# KiCad board input-output.Multi.kicad_pcb
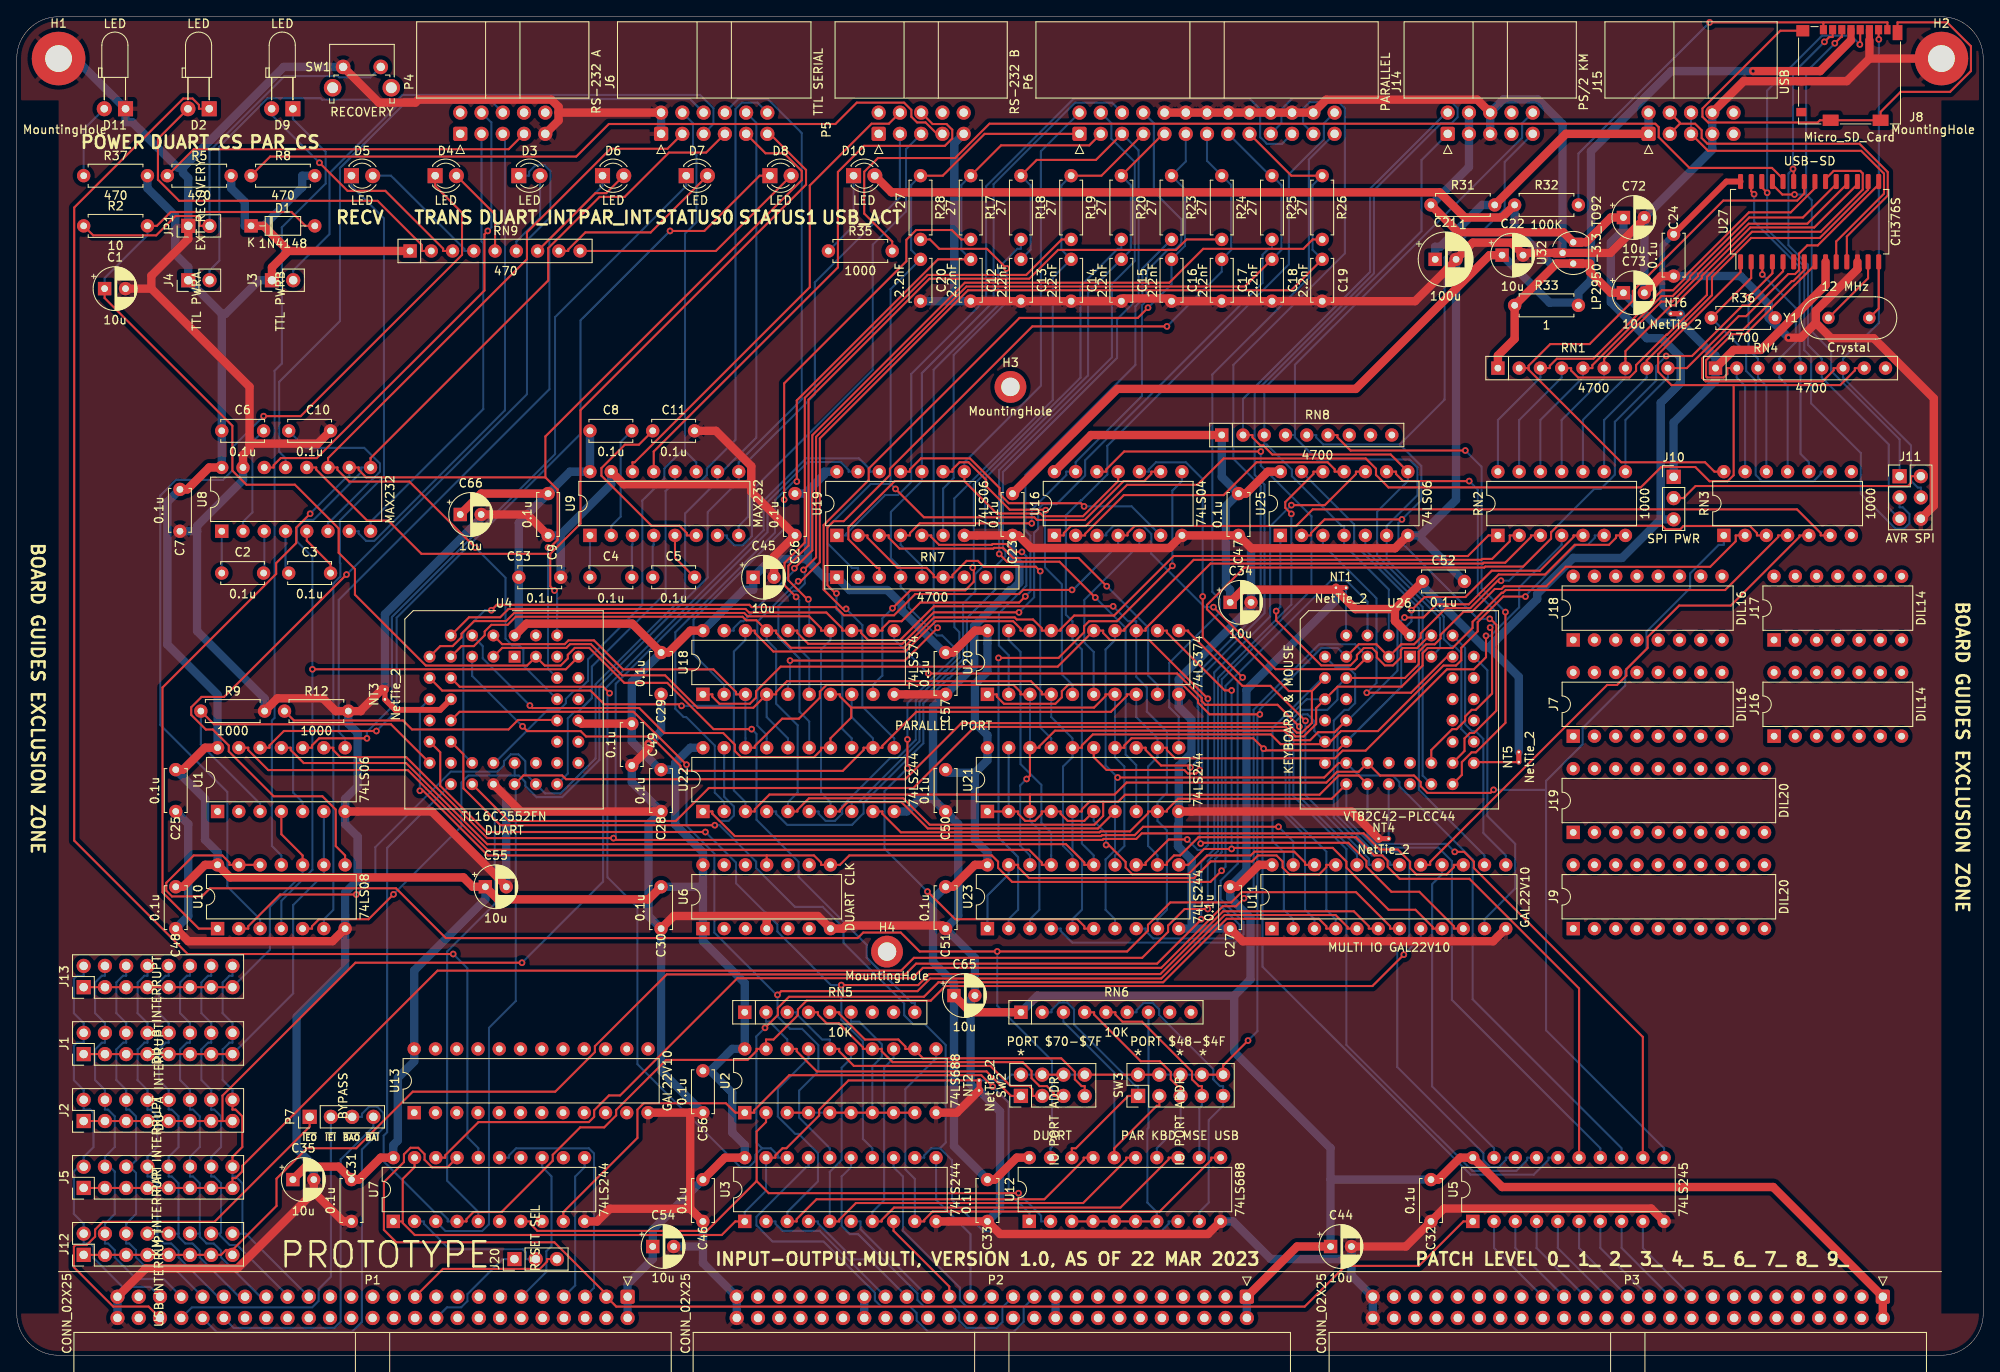
[diagram p0: board, top side]
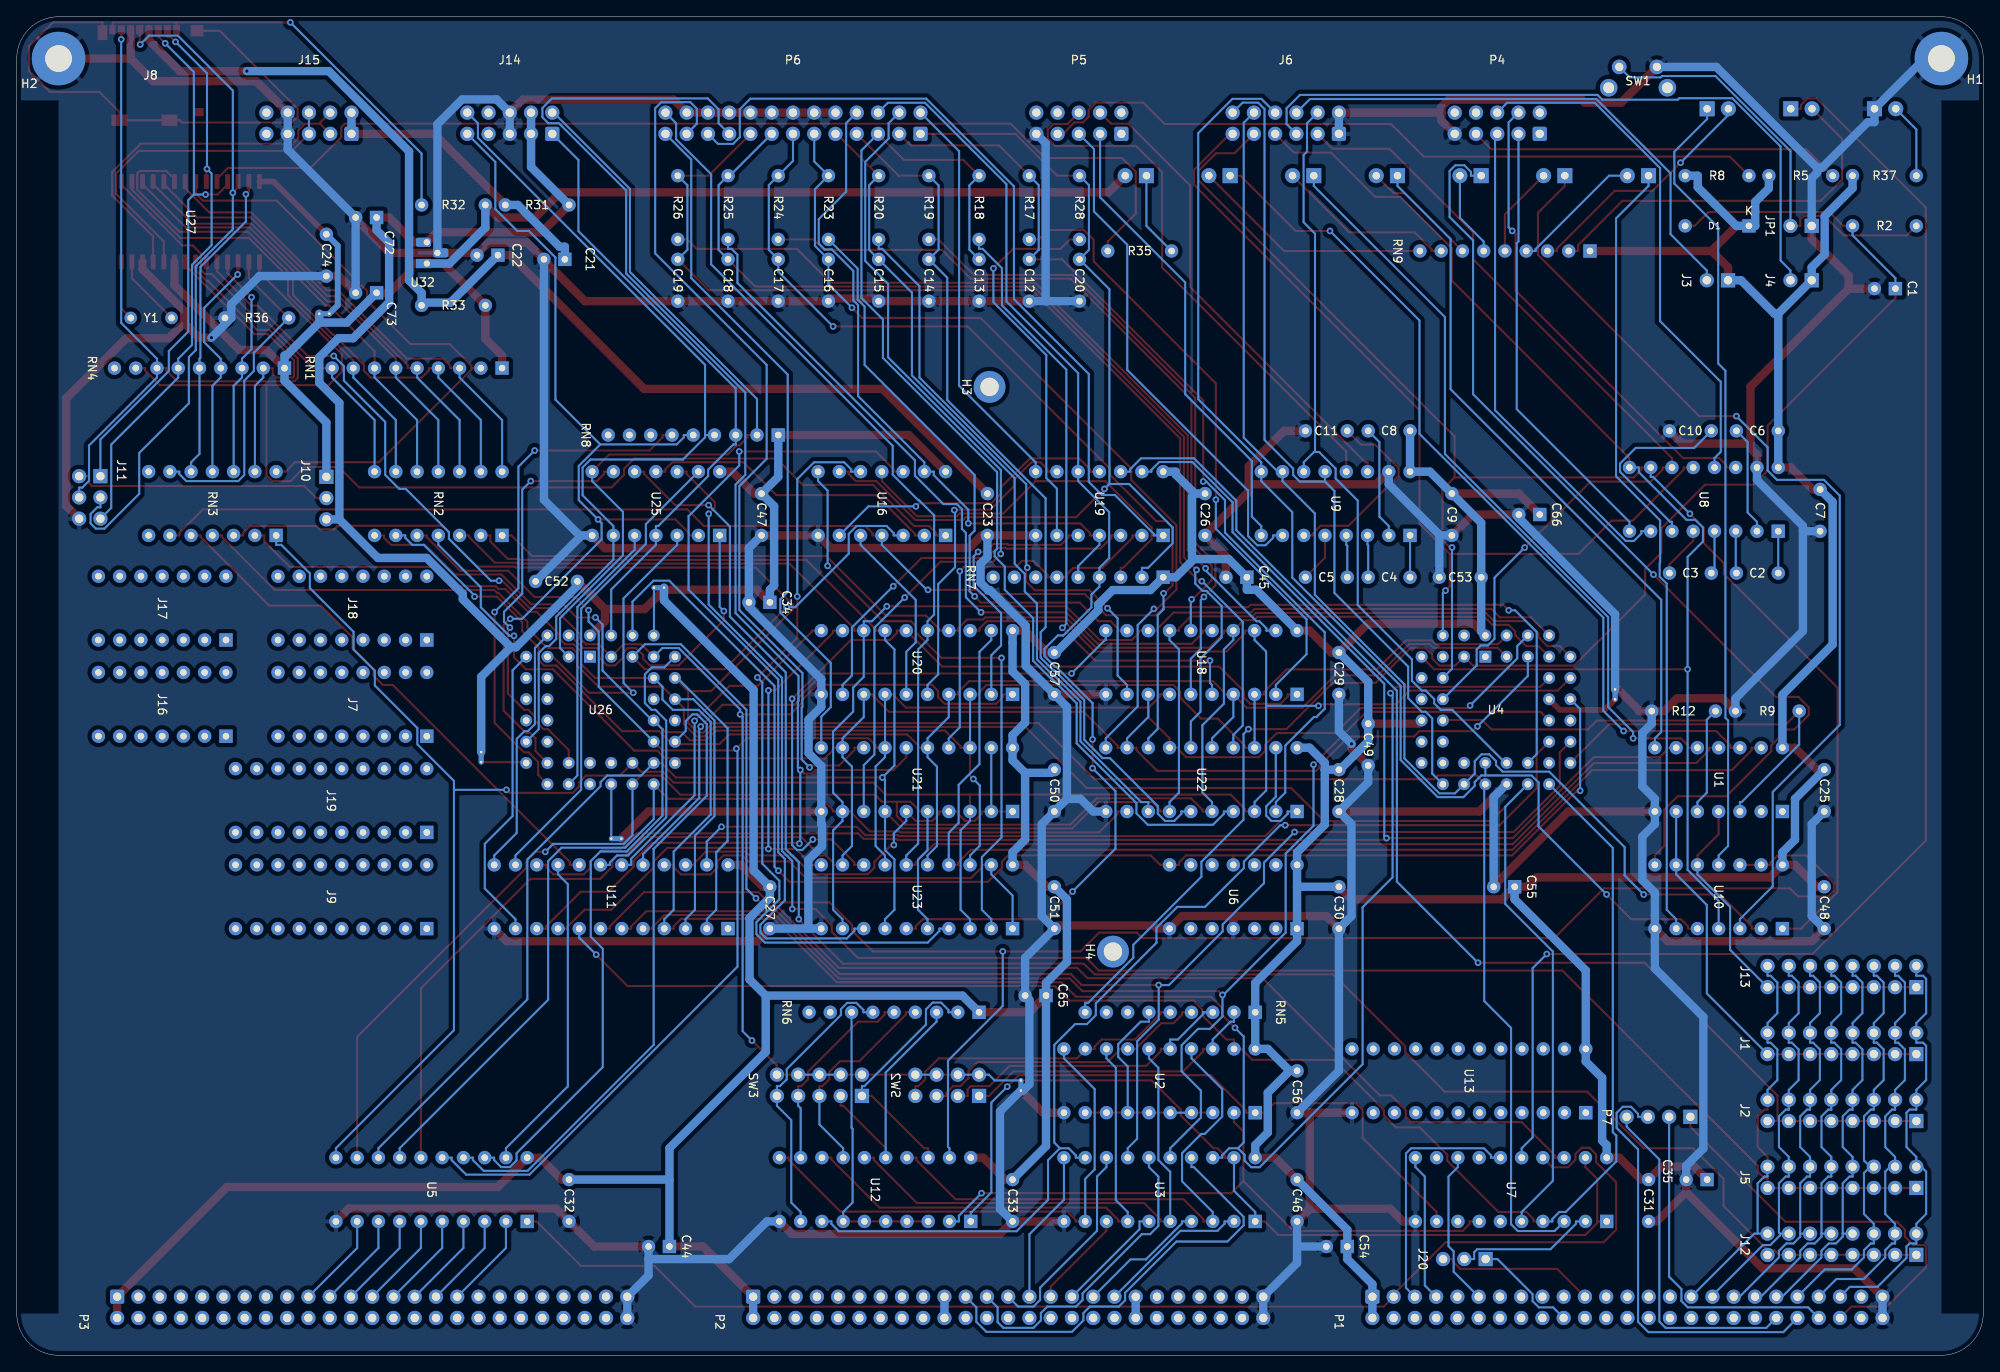
[diagram p1: board, bottom side, seen from below]

Outline 235 x 160 mm; copper layers: Top, Bottom. Coordinates in mm from the lower left corner of the outline.
Outline path: 0,155 0,5 arc(1.46,1.46) 5,0 230,0 arc(233.54,1.46) 235,5 235,155 arc(233.54,158.54) 230,160 5,160 arc(1.46,158.54) 0,155

## Placement (name value [footprint] x y rotation side)
C1  10u  [CP_Radial_D5.0mm_P2.50mm]  10.5 127.5 0 top
C2  0.1u  [C_Disc_D5.0mm_W2.5mm_P5.00mm]  24.5 93.5 0 top
C3  0.1u  [C_Disc_D5.0mm_W2.5mm_P5.00mm]  32.5 93.5 0 top
C4  0.1u  [C_Disc_D5.0mm_W2.5mm_P5.00mm]  68.5 93 0 top
C5  0.1u  [C_Disc_D5.0mm_W2.5mm_P5.00mm]  76 93 0 top
C6  0.1u  [C_Disc_D5.0mm_W2.5mm_P5.00mm]  24.5 110.5 0 top
C7  0.1u  [C_Disc_D5.0mm_W2.5mm_P5.00mm]  19.5 103.5 270 top
C8  0.1u  [C_Disc_D5.0mm_W2.5mm_P5.00mm]  68.5 110.5 0 top
C9  0.1u  [C_Disc_D5.0mm_W2.5mm_P5.00mm]  63.5 103 270 top
C10  0.1u  [C_Disc_D5.0mm_W2.5mm_P5.00mm]  32.5 110.5 0 top
C11  0.1u  [C_Disc_D5.0mm_W2.5mm_P5.00mm]  76 110.5 0 top
C12  2.2nF  [C_Disc_D5.0mm_W2.5mm_P5.00mm]  114 131 270 top
C13  2.2nF  [C_Disc_D5.0mm_W2.5mm_P5.00mm]  120 131 270 top
C14  2.2nF  [C_Disc_D5.0mm_W2.5mm_P5.00mm]  126 131 270 top
C15  2.2nF  [C_Disc_D5.0mm_W2.5mm_P5.00mm]  132 131 270 top
C16  2.2nF  [C_Disc_D5.0mm_W2.5mm_P5.00mm]  138 131 270 top
C17  2.2nF  [C_Disc_D5.0mm_W2.5mm_P5.00mm]  144 131 270 top
C18  2.2nF  [C_Disc_D5.0mm_W2.5mm_P5.00mm]  150 131 270 top
C19  2.2nF  [C_Disc_D5.0mm_W2.5mm_P5.00mm]  156 131 270 top
C20  2.2nF  [C_Disc_D5.0mm_W2.5mm_P5.00mm]  108 131 270 top
C21  100u  [CP_Radial_D6.3mm_P2.50mm]  169.5 131 0 top
C22  10u  [CP_Radial_D5.0mm_P2.50mm]  177.5 131.5 0 top
C23  0.1u  [C_Disc_D5.0mm_W2.5mm_P5.00mm]  119 103 270 top
C24  0.1u  [C_Disc_D5.0mm_W2.5mm_P5.00mm]  198 134 270 top
C25  0.1u  [C_Disc_D5.0mm_W2.5mm_P5.00mm]  19 70 270 top
C26  0.1u  [C_Disc_D5.0mm_W2.5mm_P5.00mm]  93 103 270 top
C27  0.1u  [C_Disc_D5.0mm_W2.5mm_P5.00mm]  145 56 270 top
C28  0.1u  [C_Disc_D5.0mm_W2.5mm_P5.00mm]  77 70 270 top
C29  0.1u  [C_Disc_D5.0mm_W2.5mm_P5.00mm]  77 84 270 top
C30  0.1u  [C_Disc_D5.0mm_W2.5mm_P5.00mm]  77 56 270 top
C31  0.1u  [C_Disc_D5.0mm_W2.5mm_P5.00mm]  40 21 270 top
C32  0.1u  [C_Disc_D5.0mm_W2.5mm_P5.00mm]  169 21 270 top
C33  0.1u  [C_Disc_D5.0mm_W2.5mm_P5.00mm]  116 21 270 top
C34  10u  [CP_Radial_D5.0mm_P2.50mm]  145 90 0 top
C35  10u  [CP_Radial_D5.0mm_P2.50mm]  33 21 0 top
C44  10u  [CP_Radial_D5.0mm_P2.50mm]  157 13 0 top
C45  10u  [CP_Radial_D5.0mm_P2.50mm]  88 93 0 top
C46  0.1u  [C_Disc_D5.0mm_W2.5mm_P5.00mm]  82 21 270 top
C47  0.1u  [C_Disc_D5.0mm_W2.5mm_P5.00mm]  146 103 270 top
C48  0.1u  [C_Disc_D5.0mm_W2.5mm_P5.00mm]  19 56 270 top
C49  0.1u  [C_Disc_D5.0mm_W2.5mm_P5.00mm]  73.5 75.5 270 top
C50  0.1u  [C_Disc_D5.0mm_W2.5mm_P5.00mm]  111 70 270 top
C51  0.1u  [C_Disc_D5.0mm_W2.5mm_P5.00mm]  111 56 270 top
C52  0.1u  [C_Disc_D5.0mm_W2.5mm_P5.00mm]  168 92.5 0 top
C53  0.1u  [C_Disc_D5.0mm_W2.5mm_P5.00mm]  60 93 0 top
C54  10u  [CP_Radial_D5.0mm_P2.50mm]  76 13 0 top
C55  10u  [CP_Radial_D5.0mm_P2.50mm]  56 56 0 top
C56  0.1u  [C_Disc_D5.0mm_W2.5mm_P5.00mm]  82 34 270 top
C57  0.1u  [C_Disc_D5.0mm_W2.5mm_P5.00mm]  111 84 270 top
C65  10u  [CP_Radial_D5.0mm_P2.50mm]  112 43 0 top
C66  10u  [CP_Radial_D5.0mm_P2.50mm]  53 100.5 0 top
C72  10u  [CP_Radial_D5.0mm_P2.50mm]  192 136 0 top
C73  10u  [CP_Radial_D5.0mm_P2.50mm]  192 127 0 top
D1  1N4148  [D_DO-35_SOD27_P7.62mm_Horizontal]  28 135 0 top
D2  LED  [LED_D3.0mm_Horizontal_O3.81mm_Z2.0mm]  23 149 180 top
D3  LED  [LED_D3.0mm]  60 141 0 top
D4  LED  [LED_D3.0mm]  50 141 0 top
D5  LED  [LED_D3.0mm]  40 141 0 top
D6  LED  [LED_D3.0mm]  70 141 0 top
D7  LED  [LED_D3.0mm]  80 141 0 top
D8  LED  [LED_D3.0mm]  90 141 0 top
D9  LED  [LED_D3.0mm_Horizontal_O3.81mm_Z2.0mm]  33 149 180 top
D10  LED  [LED_D3.0mm]  100 141 0 top
D11  LED  [LED_D3.0mm_Horizontal_O3.81mm_Z2.0mm]  13 149 180 top
H1  MountingHole  [MountingHole_3.2mm_M3_Pad]  5 155 0 top
H2  MountingHole  [MountingHole_3.2mm_M3_Pad]  230 155 0 top
H3  MountingHole  [MountingHole_2.2mm_M2_DIN965_Pad]  118.75 115.75 0 top
H4  MountingHole  [MountingHole_2.2mm_M2_DIN965_Pad]  104 48.25 0 top
J1  DU-A INTERRUPT  [PinHeader_2x08_P2.54mm_Vertical]  8 36 90 top
J2  PAR INTERRUPT  [PinHeader_2x08_P2.54mm_Vertical]  8 28 90 top
J3  TTL PWRB  [PinHeader_1x02_P2.54mm_Vertical]  30.5 128.5 90 top
J4  TTL PWRA  [PinHeader_1x02_P2.54mm_Vertical]  20.5 128.5 90 top
J5  KM INTERRUPT  [PinHeader_2x08_P2.54mm_Vertical]  8 20 90 top
J6  TTL SERIAL  [IDC-Header_2x06_P2.54mm_Horizontal]  77 146 90 top
J7  DIL16  [DIP-16_W7.62mm]  186 74 90 top
J8  Micro_SD_Card  [microSD_HC_Molex_104031-0811]  219 153 0 top
J9  DIL20  [DIP-20_W7.62mm]  186 51 90 top
J10  SPI PWR  [PinHeader_1x03_P2.54mm_Vertical]  198 105 0 top
J11  AVR SPI  [PinHeader_2x03_P2.54mm_Vertical]  225 105.08 0 top
J12  USB INTERRUPT  [PinHeader_2x08_P2.54mm_Vertical]  8 12 90 top
J13  DU-B INTERRUPT  [PinHeader_2x08_P2.54mm_Vertical]  8 44 90 top
J14  PS/2 KM  [IDC-Header_2x05_P2.54mm_Horizontal]  171 146 90 top
J15  USB  [IDC-Header_2x05_P2.54mm_Horizontal]  195 146 90 top
J16  DIL14  [DIP-14_W7.62mm]  210 74 90 top
J17  DIL14  [DIP-14_W7.62mm]  210 85.5 90 top
J18  DIL16  [DIP-16_W7.62mm]  186 85.5 90 top
J19  DIL20  [DIP-20_W7.62mm]  186 62.5 90 top
J20  RESET SEL  [PinHeader_1x03_P2.54mm_Vertical]  59.47 11.5 90 top
JP1  EXT RECOVERY  [PinHeader_1x02_P2.54mm_Vertical]  20.5 135 90 top
NT1  NetTie_2  [NetTie-2_THT_Pad0.3mm]  157.65 91.75 0 top
NT2  NetTie_2  [NetTie-2_THT_Pad0.3mm]  115 31.65 90 top
NT3  NetTie_2  [NetTie-2_THT_Pad0.3mm]  44 78.4 90 top
NT4  NetTie_2  [NetTie-2_THT_Pad0.3mm]  162.75 61.75 0 top
NT5  NetTie_2  [NetTie-2_THT_Pad0.3mm]  179.5 70.9 90 top
NT6  NetTie_2  [NetTie-2_THT_Pad0.3mm]  197.65 124.5 0 top
P1  CONN_02X25  [IDC-Header_2x25_P2.54mm_Horizontal]  73 7 270 top
P2  CONN_02X25  [IDC-Header_2x25_P2.54mm_Horizontal]  147 7 270 top
P3  CONN_02X25  [IDC-Header_2x25_P2.54mm_Horizontal]  223 7 270 top
P4  RS-232 A  [IDC-Header_2x05_P2.54mm_Horizontal]  53 146 90 top
P5  RS-232 B  [IDC-Header_2x05_P2.54mm_Horizontal]  103 146 90 top
P6  PARALLEL  [IDC-Header_2x13_P2.54mm_Horizontal]  127 146 90 top
P7  BYPASS  [PinHeader_1x04_P2.54mm_Vertical]  35 28.5 90 top
R2  10  [R_Axial_DIN0207_L6.3mm_D2.5mm_P7.62mm_Horizontal]  8 135 0 top
R5  470  [R_Axial_DIN0207_L6.3mm_D2.5mm_P7.62mm_Horizontal]  18 141 0 top
R8  470  [R_Axial_DIN0207_L6.3mm_D2.5mm_P7.62mm_Horizontal]  28 141 0 top
R9  1000  [R_Axial_DIN0207_L6.3mm_D2.5mm_P7.62mm_Horizontal]  22 77 0 top
R12  1000  [R_Axial_DIN0207_L6.3mm_D2.5mm_P7.62mm_Horizontal]  32 77 0 top
R17  27  [R_Axial_DIN0207_L6.3mm_D2.5mm_P7.62mm_Horizontal]  114 141 270 top
R18  27  [R_Axial_DIN0207_L6.3mm_D2.5mm_P7.62mm_Horizontal]  120 141 270 top
R19  27  [R_Axial_DIN0207_L6.3mm_D2.5mm_P7.62mm_Horizontal]  126 141 270 top
R20  27  [R_Axial_DIN0207_L6.3mm_D2.5mm_P7.62mm_Horizontal]  132 141 270 top
R23  27  [R_Axial_DIN0207_L6.3mm_D2.5mm_P7.62mm_Horizontal]  138 141 270 top
R24  27  [R_Axial_DIN0207_L6.3mm_D2.5mm_P7.62mm_Horizontal]  144 141 270 top
R25  27  [R_Axial_DIN0207_L6.3mm_D2.5mm_P7.62mm_Horizontal]  150 141 270 top
R26  27  [R_Axial_DIN0207_L6.3mm_D2.5mm_P7.62mm_Horizontal]  156 141 270 top
R28  27  [R_Axial_DIN0207_L6.3mm_D2.5mm_P7.62mm_Horizontal]  108 141 270 top
R31  1  [R_Axial_DIN0207_L6.3mm_D2.5mm_P7.62mm_Horizontal]  169 137.5 0 top
R32  100K  [R_Axial_DIN0207_L6.3mm_D2.5mm_P7.62mm_Horizontal]  179 137.5 0 top
R33  1  [R_Axial_DIN0207_L6.3mm_D2.5mm_P7.62mm_Horizontal]  179 125.5 0 top
R35  1000  [R_Axial_DIN0207_L6.3mm_D2.5mm_P7.62mm_Horizontal]  97 132 0 top
R36  4700  [R_Axial_DIN0207_L6.3mm_D2.5mm_P7.62mm_Horizontal]  202.5 124 0 top
R37  470  [R_Axial_DIN0207_L6.3mm_D2.5mm_P7.62mm_Horizontal]  8 141 0 top
RN1  4700  [R_Array_SIP9]  177 118 0 top
RN2  1000  [DIP-14_W7.62mm]  177 98 90 top
RN3  1000  [DIP-14_W7.62mm]  204 98 90 top
RN4  4700  [R_Array_SIP9]  203 118 0 top
RN5  10K  [R_Array_SIP9]  87 41 0 top
RN6  10K  [R_Array_SIP9]  120 41 0 top
RN7  4700  [R_Array_SIP9]  98 93 0 top
RN8  4700  [R_Array_SIP9]  144 110 0 top
RN9  470  [R_Array_SIP9]  47 132 0 top
SW1  RECOVERY  [SW_Tactile_SPST_Angled_PTS645Vx58-2LFS]  39 154 0 top
SW2  IO PORT ADDR  [PinHeader_2x04_P2.54mm_Vertical]  120 31 90 top
SW3  IO PORT ADDR  [PinHeader_2x05_P2.54mm_Vertical]  134 31 90 top
U1  74LS06  [DIP-14_W7.62mm]  24 65 90 top
U2  74LS688  [DIP-20_W7.62mm]  87 29 90 top
U3  74LS244  [DIP-20_W7.62mm]  87 16 90 top
U4  TL16C2552FN  [PLCC-44_THT-Socket]  59.5 83.5 0 top
U5  74LS245  [DIP-20_W7.62mm]  174 16 90 top
U6  DUART CLK  [DIP-14_W7.62mm]  82 51 90 top
U7  74LS244  [DIP-20_W7.62mm]  45 16 90 top
U8  MAX232  [DIP-16_W7.62mm]  24.5 98.5 90 top
U9  MAX232  [DIP-16_W7.62mm]  68.5 98 90 top
U10  74LS08  [DIP-14_W7.62mm]  24 51 90 top
U11  GAL22V10  [DIP-24_W7.62mm]  150 51 90 top
U12  74LS688  [DIP-20_W7.62mm]  121 16 90 top
U13  GAL22V10  [DIP-24_W7.62mm]  47.5 29 90 top
U16  74LS04  [DIP-14_W7.62mm]  124 98 90 top
U18  74LS374  [DIP-20_W7.62mm]  82 79 90 top
U19  74LS06  [DIP-14_W7.62mm]  98 98 90 top
U20  74LS374  [DIP-20_W7.62mm]  116 79 90 top
U21  74LS244  [DIP-20_W7.62mm]  116 65 90 top
U22  74LS244  [DIP-20_W7.62mm]  82 65 90 top
U23  74LS244  [DIP-20_W7.62mm]  116 51 90 top
U25  74LS06  [DIP-14_W7.62mm]  151 98 90 top
U26  VT82C42-PLCC44  [PLCC-44_THT-Socket]  166.5 83.5 0 top
U27  CH376S  [SOIC-28W_7.5x18.7mm_P1.27mm]  214.25 135.5 90 top
U32  LP2950-3.3_TO92  [TO-92_HandSolder]  186 130.5 90 top
Y1  Crystal  [Crystal_HC49-4H_Vertical]  216.5 124 0 top

## Footprints (pads in the part's own frame, mm; a bottom-side part is the same pattern mirrored in y, then rotated)
C_Disc_D5.0mm_W2.5mm_P5.00mm
  round 1.6 hole 0.8: 1(0,0) 2(5,0)
CP_Radial_D5.0mm_P2.50mm
  rect 1.6x1.6 hole 0.8: 1(0,0)
  round 1.6 hole 0.8: 2(2.5,0)
CP_Radial_D6.3mm_P2.50mm
  rect 1.6x1.6 hole 0.8: 1(0,0)
  round 1.6 hole 0.8: 2(2.5,0)
Crystal_HC49-4H_Vertical
  round 1.5 hole 0.8: 1(0,0) 2(4.88,0)
D_DO-35_SOD27_P7.62mm_Horizontal
  rect 1.6x1.6 hole 0.8: 1(0,0)
  oval 1.6x1.6 hole 0.8: 2(7.62,0)
DIP-14_W7.62mm
  rect 1.6x1.6 hole 0.8: 1(0,0)
  oval 1.6x1.6 hole 0.8: 2(0,-2.54) 3(0,-5.08) 4(0,-7.62) 5(0,-10.16) 6(0,-12.7) 7(0,-15.24) 8(7.62,-15.24) 9(7.62,-12.7) 10(7.62,-10.16) 11(7.62,-7.62) 12(7.62,-5.08) 13(7.62,-2.54) 14(7.62,0)
DIP-16_W7.62mm
  rect 1.6x1.6 hole 0.8: 1(0,0)
  oval 1.6x1.6 hole 0.8: 2(0,-2.54) 3(0,-5.08) 4(0,-7.62) 5(0,-10.16) 6(0,-12.7) 7(0,-15.24) 8(0,-17.78) 9(7.62,-17.78) 10(7.62,-15.24) 11(7.62,-12.7) 12(7.62,-10.16) 13(7.62,-7.62) 14(7.62,-5.08) 15(7.62,-2.54) 16(7.62,0)
DIP-20_W7.62mm
  rect 1.6x1.6 hole 0.8: 1(0,0)
  oval 1.6x1.6 hole 0.8: 2(0,-2.54) 3(0,-5.08) 4(0,-7.62) 5(0,-10.16) 6(0,-12.7) 7(0,-15.24) 8(0,-17.78) 9(0,-20.32) 10(0,-22.86) 11(7.62,-22.86) 12(7.62,-20.32) 13(7.62,-17.78) 14(7.62,-15.24) 15(7.62,-12.7) 16(7.62,-10.16) 17(7.62,-7.62) 18(7.62,-5.08) 19(7.62,-2.54) 20(7.62,0)
DIP-24_W7.62mm
  rect 1.6x1.6 hole 0.8: 1(0,0)
  oval 1.6x1.6 hole 0.8: 2(0,-2.54) 3(0,-5.08) 4(0,-7.62) 5(0,-10.16) 6(0,-12.7) 7(0,-15.24) 8(0,-17.78) 9(0,-20.32) 10(0,-22.86) 11(0,-25.4) 12(0,-27.94) 13(7.62,-27.94) 14(7.62,-25.4) 15(7.62,-22.86) 16(7.62,-20.32) 17(7.62,-17.78) 18(7.62,-15.24) 19(7.62,-12.7) 20(7.62,-10.16) 21(7.62,-7.62) 22(7.62,-5.08) 23(7.62,-2.54) 24(7.62,0)
IDC-Header_2x05_P2.54mm_Horizontal
  rrect 1.7x1.7 hole 1: 1(0,0)
  round 1.7 hole 1: 2(2.54,0) 3(0,-2.54) 4(2.54,-2.54) 5(0,-5.08) 6(2.54,-5.08) 7(0,-7.62) 8(2.54,-7.62) 9(0,-10.16) 10(2.54,-10.16)
IDC-Header_2x06_P2.54mm_Horizontal
  rrect 1.7x1.7 hole 1: 1(0,0)
  round 1.7 hole 1: 2(2.54,0) 3(0,-2.54) 4(2.54,-2.54) 5(0,-5.08) 6(2.54,-5.08) 7(0,-7.62) 8(2.54,-7.62) 9(0,-10.16) 10(2.54,-10.16) 11(0,-12.7) 12(2.54,-12.7)
IDC-Header_2x13_P2.54mm_Horizontal
  rrect 1.7x1.7 hole 1: 1(0,0)
  round 1.7 hole 1: 2(2.54,0) 3(0,-2.54) 4(2.54,-2.54) 5(0,-5.08) 6(2.54,-5.08) 7(0,-7.62) 8(2.54,-7.62) 9(0,-10.16) 10(2.54,-10.16) 11(0,-12.7) 12(2.54,-12.7) 13(0,-15.24) 14(2.54,-15.24) 15(0,-17.78) 16(2.54,-17.78) 17(0,-20.32) 18(2.54,-20.32) 19(0,-22.86) 20(2.54,-22.86) 21(0,-25.4) 22(2.54,-25.4) 23(0,-27.94) 24(2.54,-27.94) 25(0,-30.48) 26(2.54,-30.48)
IDC-Header_2x25_P2.54mm_Horizontal
  rrect 1.7x1.7 hole 1: 1(0,0)
  round 1.7 hole 1: 2(2.54,0) 3(0,-2.54) 4(2.54,-2.54) 5(0,-5.08) 6(2.54,-5.08) 7(0,-7.62) 8(2.54,-7.62) 9(0,-10.16) 10(2.54,-10.16) 11(0,-12.7) 12(2.54,-12.7) 13(0,-15.24) 14(2.54,-15.24) 15(0,-17.78) 16(2.54,-17.78) 17(0,-20.32) 18(2.54,-20.32) 19(0,-22.86) 20(2.54,-22.86) 21(0,-25.4) 22(2.54,-25.4) 23(0,-27.94) 24(2.54,-27.94) 25(0,-30.48) 26(2.54,-30.48) 27(0,-33.02) 28(2.54,-33.02) 29(0,-35.56) 30(2.54,-35.56) 31(0,-38.1) 32(2.54,-38.1) 33(0,-40.64) 34(2.54,-40.64) 35(0,-43.18) 36(2.54,-43.18) 37(0,-45.72) 38(2.54,-45.72) 39(0,-48.26) 40(2.54,-48.26) 41(0,-50.8) 42(2.54,-50.8) 43(0,-53.34) 44(2.54,-53.34) 45(0,-55.88) 46(2.54,-55.88) 47(0,-58.42) 48(2.54,-58.42) 49(0,-60.96) 50(2.54,-60.96)
LED_D3.0mm
  rect 1.8x1.8 hole 0.9: 1(0,0)
  round 1.8 hole 0.9: 2(2.54,0)
LED_D3.0mm_Horizontal_O3.81mm_Z2.0mm
  rect 1.8x1.8 hole 0.9: 1(0,0)
  round 1.8 hole 0.9: 2(2.54,0)
microSD_HC_Molex_104031-0811
  rect 0.85x1.1 smd: 1(-3.105,5.45) 2(-2.005,5.45) 3(-0.905,5.45) 4(0.195,5.45) 5(1.295,5.45) 6(2.395,5.45) 7(3.495,5.45)
  rect 0.75x1.1 smd: 8(4.545,5.45)
  rect 1.2x1 smd: 9(-5.74,-0.7) 10(-5.74,-4.4)
  rect 1.55x1.35 smd: 11(-5.565,5.325)
  rect 1.9x1.35 smd: 11(-2.24,-5.375) 11(3.73,-5.375)
  rect 1.17x1.8 smd: 11(5.755,5.1)
MountingHole_2.2mm_M2_DIN965_Pad
  round 3.8 hole 2.2: 1(0,0)
MountingHole_3.2mm_M3_Pad
  round 6.4 hole 3.2: 1(0,0)
NetTie-2_THT_Pad0.3mm
  round 0.6 hole 0.3: 1(0,0) 2(1.2,0)
PinHeader_1x02_P2.54mm_Vertical
  rect 1.7x1.7 hole 1: 1(0,0)
  oval 1.7x1.7 hole 1: 2(0,-2.54)
PinHeader_1x03_P2.54mm_Vertical
  rect 1.7x1.7 hole 1: 1(0,0)
  oval 1.7x1.7 hole 1: 2(0,-2.54) 3(0,-5.08)
PinHeader_1x04_P2.54mm_Vertical
  rect 1.7x1.7 hole 1: 1(0,0)
  oval 1.7x1.7 hole 1: 2(0,-2.54) 3(0,-5.08) 4(0,-7.62)
PinHeader_2x03_P2.54mm_Vertical
  rect 1.7x1.7 hole 1: 1(0,0)
  oval 1.7x1.7 hole 1: 2(2.54,0) 3(0,-2.54) 4(2.54,-2.54) 5(0,-5.08) 6(2.54,-5.08)
PinHeader_2x04_P2.54mm_Vertical
  rect 1.7x1.7 hole 1: 1(0,0)
  oval 1.7x1.7 hole 1: 2(2.54,0) 3(0,-2.54) 4(2.54,-2.54) 5(0,-5.08) 6(2.54,-5.08) 7(0,-7.62) 8(2.54,-7.62)
PinHeader_2x05_P2.54mm_Vertical
  rect 1.7x1.7 hole 1: 1(0,0)
  oval 1.7x1.7 hole 1: 2(2.54,0) 3(0,-2.54) 4(2.54,-2.54) 5(0,-5.08) 6(2.54,-5.08) 7(0,-7.62) 8(2.54,-7.62) 9(0,-10.16) 10(2.54,-10.16)
PinHeader_2x08_P2.54mm_Vertical
  rect 1.7x1.7 hole 1: 1(0,0)
  oval 1.7x1.7 hole 1: 2(2.54,0) 3(0,-2.54) 4(2.54,-2.54) 5(0,-5.08) 6(2.54,-5.08) 7(0,-7.62) 8(2.54,-7.62) 9(0,-10.16) 10(2.54,-10.16) 11(0,-12.7) 12(2.54,-12.7) 13(0,-15.24) 14(2.54,-15.24) 15(0,-17.78) 16(2.54,-17.78)
PLCC-44_THT-Socket
  rect 1.422x1.422 hole 0.8: 1(0,0)
  round 1.422 hole 0.8: 2(-2.54,2.54) 3(-2.54,0) 4(-5.08,2.54) 5(-5.08,0) 6(-7.62,2.54) 7(-10.16,0) 8(-7.62,0) 9(-10.16,-2.54) 10(-7.62,-2.54) 11(-10.16,-5.08) 12(-7.62,-5.08) 13(-10.16,-7.62) 14(-7.62,-7.62) 15(-10.16,-10.16) 16(-7.62,-10.16) 17(-10.16,-12.7) 18(-7.62,-15.24) 19(-7.62,-12.7) 20(-5.08,-15.24) 21(-5.08,-12.7) 22(-2.54,-15.24) 23(-2.54,-12.7) 24(0,-15.24) 25(0,-12.7) 26(2.54,-15.24) 27(2.54,-12.7) 28(5.08,-15.24) 29(7.62,-12.7) 30(5.08,-12.7) 31(7.62,-10.16) 32(5.08,-10.16) 33(7.62,-7.62) 34(5.08,-7.62) 35(7.62,-5.08) 36(5.08,-5.08) 37(7.62,-2.54) 38(5.08,-2.54) 39(7.62,0) 40(5.08,2.54) 41(5.08,0) 42(2.54,2.54) 43(2.54,0) 44(0,2.54)
R_Array_SIP9
  rect 1.6x1.6 hole 0.8: 1(0,0)
  oval 1.6x1.6 hole 0.8: 2(2.54,0) 3(5.08,0) 4(7.62,0) 5(10.16,0) 6(12.7,0) 7(15.24,0) 8(17.78,0) 9(20.32,0)
R_Axial_DIN0207_L6.3mm_D2.5mm_P7.62mm_Horizontal
  round 1.6 hole 0.8: 1(0,0)
  oval 1.6x1.6 hole 0.8: 2(7.62,0)
SOIC-28W_7.5x18.7mm_P1.27mm
  rrect 1.8x0.6 smd: 1(-4.8,8.255) 2(-4.8,6.985) 3(-4.8,5.715) 4(-4.8,4.445) 5(-4.8,3.175) 6(-4.8,1.905) 7(-4.8,0.635) 8(-4.8,-0.635) 9(-4.8,-1.905) 10(-4.8,-3.175) 11(-4.8,-4.445) 12(-4.8,-5.715) 13(-4.8,-6.985) 14(-4.8,-8.255) 15(4.8,-8.255) 16(4.8,-6.985) 17(4.8,-5.715) 18(4.8,-4.445) 19(4.8,-3.175) 20(4.8,-1.905) 21(4.8,-0.635) 22(4.8,0.635) 23(4.8,1.905) 24(4.8,3.175) 25(4.8,4.445) 26(4.8,5.715) 27(4.8,6.985) 28(4.8,8.255)
SW_Tactile_SPST_Angled_PTS645Vx58-2LFS
  round 2.1 hole 1.3: (-1.25,-2.49) (5.76,-2.49)
  round 1.75 hole 0.99: 1(0,0) 2(4.5,0)
TO-92_HandSolder
  rect 1.1x1.8 hole 0.75: 1(0,0)
  rrect 1.1x1.8 hole 0.75: 2(1.27,1.27) 3(2.54,0)

## Nets
+12V: P2.19 P2.20
-12V: P2.37 P2.38
/DUART/GND_UART: NT3.1 U4.12
/USB-SD/VBUS: C21.1 J15.1 J15.2 R31.2
/USB-SD/VDD2: C24.1 NT6.1 U27.28
/USB-SD/VDD3: C22.1 C23.1 J8.4 R33.2
GND: C1.2 C7.2 C9.2 C10.2 C11.2 C12.2 C13.2 C14.2 C15.2 C16.2 C17.2 C18.2 C19.2 C20.2 C21.2 C22.2 C23.2 C24.2 C25.2 C26.2 C27.2 C28.2 C29.2 C30.2 C31.2 C32.2 C33.2 C34.2 C35.2 C44.2 C45.2 C46.2 C47.2 C48.2 C49.2 C50.2 C51.2 C52.2 C53.2 C54.2 C55.2 C56.2 C57.2 C65.2 C66.2 C72.2 C73.2 D11.1 H1.1 H2.1 J6.1 J6.2 J8.6 J8.9 J11.6 J14.5 J14.6 J15.7 J15.8 JP1.1 NT2.1 NT3.2 NT4.1 P1.49 P1.50 P2.49 P2.50 P3.49 P3.50 P4.9 P5.9 P6.10 P6.12 P6.14 P6.16 P6.18 P6.20 P6.22 P6.24 R9.2 R12.2 R36.2 SW1.1 U1.7 U2.10 U3.10 U4.22 U5.10 U6.4 U6.7 U7.10 U8.15 U9.15 U10.7 U11.12 U12.10 U13.12 U16.7 U18.10 U19.7 U20.10 U21.10 U22.10 U23.10 U25.7 U27.12 U32.2
VCC: C6.1 C7.1 C8.1 C9.1 C25.1 C26.1 C27.1 C28.1 C29.1 C30.1 C31.1 C32.1 C33.1 C34.1 C35.1 C44.1 C45.1 C46.1 C47.1 C48.1 C49.1 C50.1 C51.1 C52.1 C53.1 C54.1 C55.1 C56.1 C57.1 C65.1 C66.1 C72.1 D1.1 J3.1 J4.1 J10.3 J14.3 J14.4 NT1.1 NT5.2 P1.1 P1.2 P2.1 P2.2 P3.1 P3.2 R5.2 R8.2 R31.1 R37.2 RN5.1 RN6.1 RN7.1 RN8.1 RN9.1 U1.14 U2.20 U3.20 U4.33 U4.44 U5.20 U6.1 U6.14 U7.20 U8.16 U9.16 U10.14 U11.24 U12.20 U13.24 U16.14 U18.20 U19.14 U20.20 U21.20 U22.20 U23.20 U25.14 U26.44 U32.3
VDD: NT5.1 U26.29
VDD1: C73.1 D10.2 J10.1 NT6.2 R32.1 R33.1 RN1.1 RN4.1 U27.9 U32.1
VSS: NT4.2 U26.22
470A: D2.2 RN9.2
470B: D9.2 RN9.3
470C: D5.2 RN9.4
470D: D4.2 RN9.5
470E: D3.2 RN9.6
470F: D6.2 RN9.7
470G: D7.2 RN9.8
470H: D8.2 RN9.9
/bus/A8: P2.17
/bus/A9: P2.15
/bus/A10: P2.13
/bus/A11: P2.11
/bus/A12: P2.9
/bus/A13: P2.7
/bus/A14: P2.5
/bus/A15: P2.3
/bus/A16: P2.36
/bus/A17: P2.34
/bus/A18: P2.32
/bus/A19: P2.30
/bus/A20: P2.28
/bus/A21: P2.26
/bus/A22: P2.24
/bus/A23: P2.22
/bus/A24: P2.18
/bus/A25: P2.16
/bus/A26: P2.14
/bus/A27: P2.12
/bus/A28: P2.10
/bus/A29: P2.8
/bus/A30: P2.6
/bus/A31: P2.4
/bus/AUXCLK0: P2.48
/bus/AUXCLK1: P2.47
/bus/AUXCLK2: P3.48
/bus/AUXCLK3: P3.46
/bus/CLK: P1.15
/bus/CRUCLK: P1.14
/bus/CRUIN: P1.18
/bus/CRUOUT: P1.16
/bus/D8: P3.17
/bus/D9: P3.15
/bus/D10: P3.13
/bus/D11: P3.11
/bus/D12: P3.9
/bus/D13: P3.7
/bus/D14: P3.5
/bus/D15: P3.3
/bus/D16: P3.34
/bus/D17: P3.32
/bus/D18: P3.30
/bus/D19: P3.28
/bus/D20: P3.26
/bus/D21: P3.24
/bus/D22: P3.22
/bus/D23: P3.20
/bus/D24: P3.18
/bus/D25: P3.16
/bus/D26: P3.14
/bus/D27: P3.12
/bus/D28: P3.10
/bus/D29: P3.8
/bus/D30: P3.6
/bus/D31: P3.4
/bus/E: P1.4
/bus/I2C_SCL: P1.47
/bus/I2C_SDA: P1.48
/bus/IC0: P2.45
/bus/IC1: P2.43
/bus/IC2: P2.41
/bus/IC3: P2.39
/bus/IPL0: P3.47
/bus/IPL1: P3.45
/bus/IPL2: P3.43
/bus/LDS: P3.38
/bus/PHI: P1.8
/bus/S0: P3.44
/bus/S1: P3.42
/bus/S2: P3.40
/bus/ST: P1.6
/bus/UDS: P3.36
/bus/USER0: P1.38
/bus/USER1: P1.36
/bus/USER2: P1.34
/bus/USER3: P1.32
/bus/USER4: P1.30
/bus/USER5: P1.28
/bus/USER6: P1.26
/bus/USER7: P1.24
/bus/USER8: P1.22
/bus/~{BHE}: P3.41
/bus/~{BUSACK}: P1.13
/bus/~{BUSERR}: P3.35
/bus/~{BUSRQ}: P1.23
/bus/~{DREQ0}: P2.46
/bus/~{DREQ1}: P2.42
/bus/~{HALT}: P1.27
/bus/~{INT0}: P1.17
/bus/~{INT1}: P1.12
/bus/~{INT2}: P1.10
/bus/~{MREQ}: P1.9
/bus/~{NMI}: P1.19
/bus/~{RFSH}: P1.29
/bus/~{TEND0}: P2.44
/bus/~{TEND1}: P2.40
/bus/~{VMA}: P3.39
/bus/~{VPA}: P3.37
/bus/~{WAIT}: P1.25
/DUART/INTA: R12.1 U1.5 U4.34
/DUART/INTB: R9.1 U1.3 U4.17
/DUART/RXA: P4.3 U8.8
/DUART/RXB: P5.3 U9.8
/DUART/TTL_RXA: J6.7 U4.39 U8.9 U10.4
/DUART/TTL_RXB: J6.8 U4.25 U9.9 U10.5
/DUART/TTL_TXA: J6.9 U4.38 U8.10 U10.1
/DUART/TTL_TXB: J6.10 U4.26 U9.10 U10.2
/DUART/TXA: P4.5 U8.7
/DUART/TXB: P5.5 U9.7
/DUART/~{CTSA}: P4.6 U8.13
/DUART/~{CTSB}: P5.6 U9.13
/DUART/~{DTRA}: P4.7 R5.1
/DUART/~{DTRB}: P5.7 R8.1
/DUART/~{INTA}: J1.1 J1.3 J1.5 J1.7 J1.9 J1.11 J1.13 J1.15 U1.6 U10.9
/DUART/~{INTB}: J13.1 J13.3 J13.5 J13.7 J13.9 J13.11 J13.13 J13.15 U1.4 U10.10
/DUART/~{RTSA}: P4.4 U8.14